# Altium PCB 2015_BeaconEye.PcbDoc (part 2 of 2)
Units mil, origin at the board's own origin, x right, y up, seen from the top; angles counter-clockwise.
Board outline 3070.87 x 2992.13 mil, 4 copper layers (1-TOP, 2-SIGNAL, 3-GND, 4-BOT), stack 68 mil thick; 104 components, 95 nets, 420 pads, 248 vias.
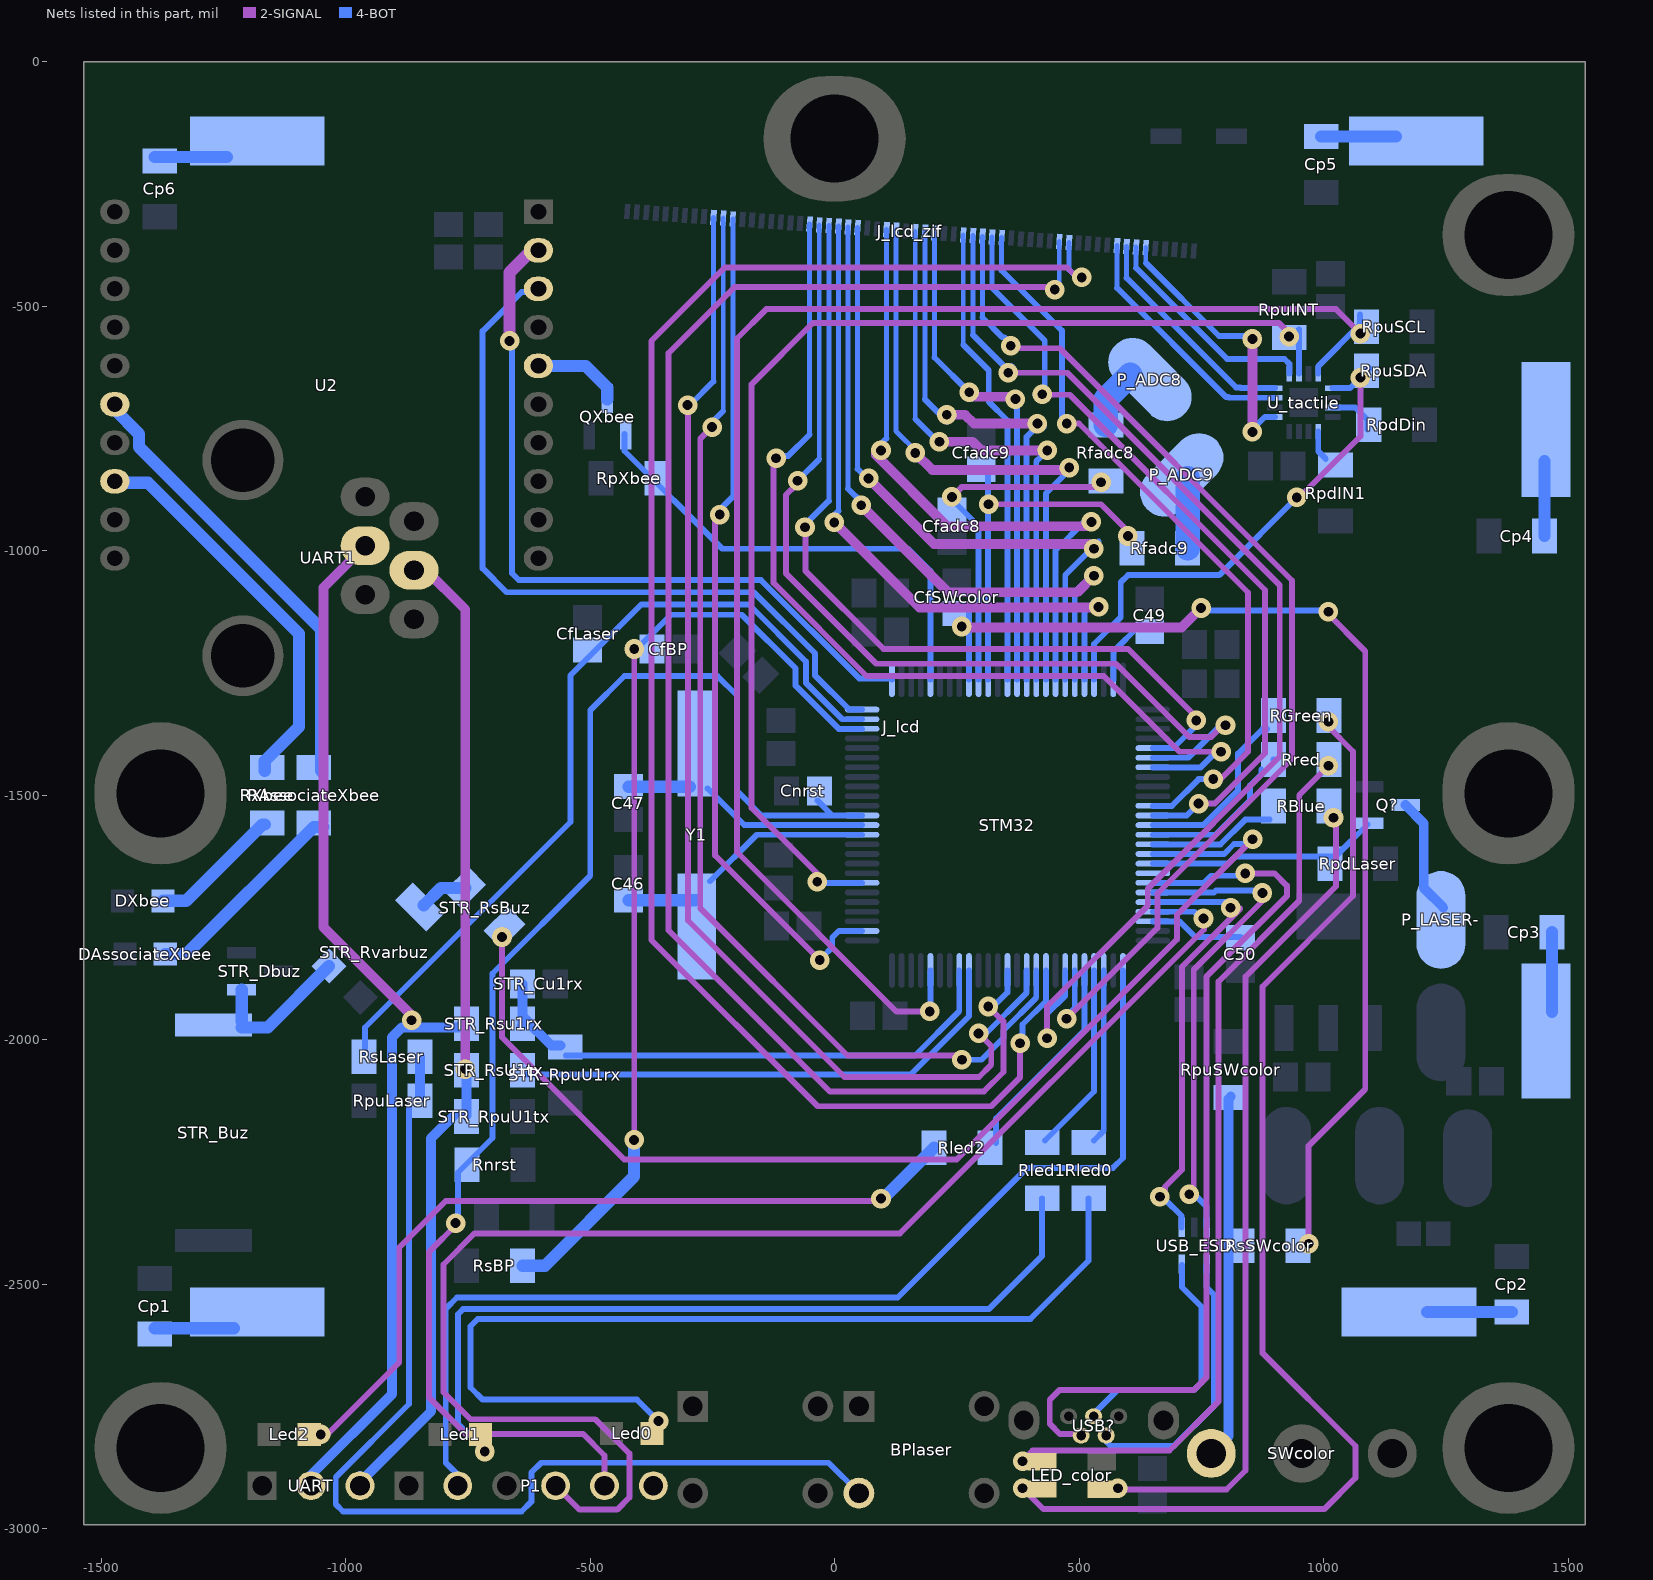
[diagram p4: the nets of this part, all layers, seen from the top]

## Via types
v1: diameter 40, hole 20, 1-TOP to 4-BOT, 248 vias

## Nets (pads, with @x,y where several pads share a name; then routed paths per layer and width w, separated by ;. In a path a pad name is that pad's centre, name@x,y a point inside that pad or via, vN(x,y) a via of type N, cw(c..) or ccw(c..) an arc to the next point about the centre after c; other vN are vias at no path point) (continued)
NetBPlaser_3: BPlaser.3 RpuLaser.1 RsLaser.1 | length 2133.6
  4-BOT w12: RpuLaser.1@-870,-2140 -870,-2745 -1020,-2895 -1020,-2950 -1005,-2965 -640,-2965 -620,-2945 -620,-2885 -600,-2865 -12.17,-2865 BPlaser.3@50,-2927.17
  4-BOT w20: RpuLaser.1@-847.91,-2117.91 RsLaser.1@-847.91,-2035
NetC46_2: C46.2 STM32.12 Y1.2 | length 488.7
  4-BOT w12: Y1.2@-254.57,-1676.06 -159.33,-1580.83 STM32.12@56.34,-1580.83
  4-BOT w25: C46.2@-421.42,-1714.61 Y1.2@-283.11,-1714.61
NetC47_2: C47.2 STM32.13 Y1.1 | length 472.2
  4-BOT w12: Y1.1@-259.57,-1486.06 -184.49,-1561.14 STM32.13@56.34,-1561.14
  4-BOT w25: C47.2@-421.42,-1482.68 Y1.1@-296.18,-1482.68
NetC49_2: C49.2 STM32.49 | length 134.3
  4-BOT w12: STM32.49@570.12,-1263.9 570.12,-1206.57 C49.2@624.57,-1152.13
NetC50_2: C50.2 STM32.73 | length 192.4
  4-BOT w12: STM32.73@650.83,-1757.99 705.43,-1757.99 737.44,-1790 C50.2@830,-1790
NetCp1_2: Cp1.2 J_lcd.1 | length 162.1
  4-BOT w25: Cp1.2@-1390,-2590 J_lcd.1@-1227.91,-2590
NetCp2_2: Cp2.2 J_lcd.2 | length 172.9
  4-BOT w25: J_lcd.2@1212.09,-2557.09 Cp2.2@1385,-2557.09
NetCp3_2: Cp3.2 J_lcd.3 | length 162.9
  4-BOT w25: J_lcd.3@1467.09,-1942.91 Cp3.2@1467.09,-1780
NetCp4_2: Cp4.2 J_lcd.4 | length 152.9
  4-BOT w25: Cp4.2@1452.09,-970 J_lcd.4@1452.09,-817.09
NetCp5_2: Cp5.2 J_lcd.5 | length 152.9
  4-BOT w25: Cp5.2@995,-152.91 J_lcd.5@1147.91,-152.91
NetCp6_2: Cp6.2 J_lcd.6 | length 147.9
  4-BOT w25: Cp6.2@-1390,-195 J_lcd.6@-1242.09,-195
NetDAssociateXbee_1: DAssociateXbee.1 RAssociateXbee.2 | length 431.4
  4-BOT w25: DAssociateXbee.1@-1368.66,-1825 -1325,-1825 -1065,-1565 RAssociateXbee.2@-1045,-1565
NetDXbee_1: DXbee.1 RXbee.2 | length 272.9
  4-BOT w25: DXbee.1@-1373.23,-1716.06 -1326.06,-1716.06 -1170,-1560 RXbee.2@-1165,-1560
NetLed0_1: Led0.1 Rled0.1 | length 1978.5
  4-BOT w12: v1@-365,-2775 -403.94,-2736.06 -719.57,-2736.06 -744.57,-2711.06 -744.57,-2586.06 -729.57,-2571.06 400.43,-2571.06 519.57,-2451.93 Rled0.1@519.57,-2324.21
  other v1: -360,-2780
NetLed1_1: Led1.1 Rled1.1 | length 1663.1
  4-BOT w12: v1@-715,-2840 -770,-2785 -770,-2561.5 -759.57,-2551.06 315.43,-2551.06 424.57,-2441.93 Rled1.1@424.57,-2324.21
  other v1: -715.43,-2842.13
NetLed2_1: Led2.1 Rled2.1 | length 1642.5
  2-SIGNAL w12: v1(-1050.43,-2807.13) v1@-1035.63,-2807.13 ; v1@-1050,-2805 -1035,-2805 -890,-2660 -890,-2425 -795,-2330 v1@91.5,-2330
  4-BOT w25: v1@100,-2330 100,-2324.41 Rled2.1@203.35,-2221.06
  other v1: 95,-2325
NetLED_color_2: LED_color.2 RBlue.2 | length 1683.5
  2-SIGNAL w12: v1(579.57,-2917.13) v1@582.57,-2920.13 ; v1@585,-2920 801.5,-2920 840.43,-2881.06 840.43,-1871.06 1025.43,-1686.06 v1@1025.43,-1550
  other v1: 1020.43,-1546.06
NetLED_color_3: LED_color.3 Rred.2 | length 1842.9
  2-SIGNAL w12: v1@385,-2860 405,-2840 685,-2840 785.43,-2739.57 785.43,-1881.06 950.43,-1716.06 950.43,-1499.57 v1(1010,-1440)
  other v1: 384.57,-2862.13
NetLED_color_4: LED_color.4 RGreen.2 | length 2435.9
  2-SIGNAL w12: v1(384.57,-2917.13) 427.44,-2960 1000,-2960 ; 1001.5,-2960 1065.43,-2896.06 1065.43,-2831.06 875.43,-2641.06 875.43,-1891.06 1060.43,-1706.06 1060.43,-1410.43 v1@1010,-1360
  other v1: 1010,-1350
NetP_ADC8_1: P_ADC8.1 Rfadc8.2 | length 123.6
  4-BOT w50: Rfadc8.2@555,-742.91 555,-690 P_ADC8.1@605,-640
NetP_ADC9_1: P_ADC9.1 Rfadc9.2 | length 142.9
  4-BOT w50: Rfadc9.2@722.09,-995 P_ADC9.1@722.09,-852.09
NetP_LASER-_1: P_LASER-.1 Q?.3 | length 242.1
  4-BOT w20: Q?.3@1167.4,-1520 1205,-1557.6 1205,-1690 P_LASER-.1@1245,-1730
NetQXbee_3: QXbee.3 U2.5 | length 184.1
  4-BOT w25: U2.5@-605.43,-622.09 -508.54,-622.09 -464.57,-666.06 QXbee.3@-464.57,-691.06
NetRAssociateXbee_1: RAssociateXbee.1 U2.15 | length 923.8
  4-BOT w25: U2.15@-1471.57,-700.83 -1471.57,-711.63 -1422.07,-761.13 -1422.07,-787.93 -1050,-1160 RAssociateXbee.1@-1050,-1450
NetRpdDin_2: RpdDin.2 U_tactile.7 | length 101.4
  4-BOT w12: U_tactile.7@1018.62,-706.97 1064.41,-706.97 1089.57,-732.13 RpdDin.2@1089.57,-752.13
NetRpdIN1_2: RpdIN1.2 U_tactile.9 | length 62.4
  4-BOT w12: U_tactile.9@989.09,-756.18 989.09,-796.65 RpdIN1.2@1004.57,-812.13
NetRpuSWcolor_1: RpuSWcolor.1 RsSWcolor.1 SWcolor.NC1 | length 746.6
  4-BOT w20: SWcolor.NC1@770.39,-2846.06 805.43,-2811.02 805.43,-2121.06 RpuSWcolor.1@810.43,-2116.06
NetRXbee_1: RXbee.1 U2.13 | length 801.5
  4-BOT w25: U2.13@-1459.57,-861.06 -1403.94,-861.06 -1095,-1170 -1095,-1360 -1165,-1430 RXbee.1@-1165,-1450
NetSTR_Buz_1: STR_Buz.1 STR_Dbuz.1 STR_Rvarbuz.3 | length 295.8
  4-BOT w25: STR_Buz.1@-1212.4,-1975 -1159.03,-1975 STR_Rvarbuz.3@-1033.57,-1849.54 ; STR_Buz.1@-1212.4,-1962.4 STR_Dbuz.1@-1212.4,-1897.4
NetSTR_RpuU1tx_1: STR_RpuU1tx.1 STR_RsU1tx.1 UART1.3 UART.3 | length 2011.5
  2-SIGNAL w20: UART1.3@-840,-1035 -755,-1120 -755,-1160 v1(-755,-2060)
  4-BOT w20: UART.3@-975,-2910 -825,-2760 -825,-2201.5 STR_RpuU1tx.1@-777.07,-2153.56 ; UART.3@-970.43,-2912.13 UART.3@-970.43,-2892.13 ; STR_RpuU1tx.1@-752.52,-2155.04 STR_RsU1tx.1@-752.52,-2062.13
NetSTR_RsBuz_2: STR_RsBuz.2 STR_Rvarbuz.2 | length 99.3
  4-BOT w25: STR_Rvarbuz.2@-840,-1725 -804.63,-1689.63 STR_RsBuz.2@-755.37,-1689.63
NetSTR_Rsu1rx_2: STR_Rsu1rx.2 UART1.4 UART.2 | length 2229.9
  2-SIGNAL w20: UART1.4@-960,-990 -1045,-1075 -1045,-1770 -865,-1950 v1(-865,-1960)
  4-BOT w20: UART.2@-1070.43,-2912.13 -1070.43,-2890.43 -905,-2725 -905,-1995 -885,-1975 -768.5,-1975 STR_Rsu1rx.2@-754.57,-1961.06
NetUSB?_2: USB?.2 USB_ESD.4 | length 561
  4-BOT w12: USB?.2@549.33,-2815.67 564.72,-2831.06 693.94,-2831.06 775.43,-2749.57 775.43,-2521.06 760.43,-2506.06 USB_ESD.4@760.43,-2461.06
NetUSB?_3: USB?.3 USB_ESD.5 | length 506.5
  4-BOT w12: USB?.3@527.87,-2767.13 578.94,-2716.06 735.43,-2716.06 750.43,-2701.06 750.43,-2546.06 710.43,-2506.06 USB_ESD.5@710.43,-2461.06
PA0_BP: CfBP.2 RsBP.2 STM32.23 | length 1996.8
  2-SIGNAL w12: v1@-409.57,-2205 v1(-409.57,-1201.06)
  4-BOT w12: v1@-409.57,-1206.06 -334.57,-1131.06 -189.57,-1131.06 -79.57,-1241.06 -79.57,-1276.06 8.66,-1364.29 STM32.23@56.34,-1364.29
  4-BOT w25: RsBP.2@-638.35,-2462.13 -592.13,-2462.13 -410,-2280 v1(-410,-2205)
PA1_BP_LASER: CfLaser.2 RsLaser.2 STM32.24 | length 1728.2
  4-BOT w12: RsLaser.2@-960,-2030 -960,-1975 -540,-1555 -540,-1255 -395,-1110 -175,-1110 -58.57,-1226.43 -58.57,-1270.19 15.85,-1344.61 STM32.24@56.34,-1344.61
PA2_XBEE_UTX: STM32.25 U2.3 | length 1545.1
  4-BOT w12: U2.3@-614.57,-471.06 -639.57,-471.06 -719.57,-551.06 -719.57,-1036.06 -670.63,-1085 -165,-1085 -39.57,-1210.43 -39.57,-1255.43 29.92,-1324.92 STM32.25@56.34,-1324.92
PA3_XBEE_URX: STM32.26 U2.2 | length 1561.1
  2-SIGNAL w25: v1(-664.57,-571.06) -664.57,-431.06 U2.2@-614.57,-381.06
  4-BOT w12: v1@-654.57,-566.06 -659.57,-571.06 -659.57,-1046.06 -645.63,-1060 -150.63,-1060 50.43,-1261.06 115.85,-1261.06 117.6,-1262.81 117.6,-1263.9 STM32.26@117.36,-1263.9
PA5_XBEE_RESET: QXbee.1 RpXbee.1 STM32.30 | length 984.6
  4-BOT w12: QXbee.1@-429.57,-761.06 -429.57,-796.06 -229.57,-996.06 150.43,-996.06 196.1,-1041.73 STM32.30@196.1,-1263.9
PA8_MOSFET_LASER: Q?.1 RpdLaser.2 STM32.67 | length 472.3
  4-BOT w12: STM32.67@650.83,-1639.88 805.12,-1639.88 820,-1625 1025,-1625 Q?.1@1090,-1560
PA9_USB_VBUS: STM32.68
PA10_USB_ID: STM32.69 USB?.4 | length 1810.4
  2-SIGNAL w12: USB?.4@488.98,-2806.5 460.87,-2806.5 440,-2785.63 440,-2736.5 460.43,-2716.06 735.43,-2716.06 760.43,-2691.06 760.43,-1871.06 925,-1706.5 925,-1685 900,-1660 v1(840,-1660)
  4-BOT w12: STM32.69@650.83,-1679.25 755.75,-1679.25 770.37,-1664.63 v1@839.63,-1664.63
PA11_USB_DM: STM32.70 USB_ESD.3 | length 969.5
  2-SIGNAL w12: v1@734.57,-2312.13 734.57,-1856.93 v1@883.25,-1708.25
  4-BOT w12: STM32.70@650.83,-1698.94 776.06,-1698.94 780,-1695 821.67,-1695 v1@875,-1695 ; v1@735.43,-2316.06 761.02,-2341.65 USB_ESD.3@761.02,-2383.66
  other v1: 725.43,-2316.06 875,-1700
PA12_USB_DP: STM32.71 USB_ESD.1 | length 872.1
  2-SIGNAL w12: v1@675.43,-2316.06 675.43,-2301.06 710.43,-2266.06 710.43,-1851.06 v1@829.57,-1731.93
  4-BOT w12: STM32.71@650.83,-1718.62 v1@803.07,-1718.62 ; v1@675.43,-2326.06 709.84,-2360.47 USB_ESD.1@709.84,-2383.66
  other v1: 665.43,-2321.06 810,-1730
PB0_ADC8: Cfadc8.2 Rfadc8.1 STM32.35 | length 706.8
  2-SIGNAL w12: v1(240,-890) 260,-870 v1@540,-870
  4-BOT w12: v1@235,-890 294.53,-949.53 STM32.35@294.53,-1263.9
  other v1: 545,-860
PB1_ADC9: Cfadc9.2 Rfadc9.1 STM32.36 | length 738.4
  2-SIGNAL w12: v1(315,-905) 545,-905 v1@600,-960
  4-BOT w12: Cfadc9.2@310,-835 314.21,-839.21 STM32.36@314.21,-1263.9
  other v1: 600,-970
PB6_U1TX: STM32.92 STR_RsU1tx.2 | length 1048.1
  4-BOT w12: STR_RsU1tx.2@-630.43,-2071.06 155.63,-2071.06 274.84,-1951.85 STM32.92@274.84,-1858.39
PB7_U1RX: STM32.93 STR_Cu1rx.2 STR_RpuU1rx.1 STR_Rsu1rx.1 | length 1110.7
  4-BOT w12: STR_Rsu1rx.1@-635.43,-1957.13 STR_Rsu1rx.1@-634.47,-1956.16 ; STR_RpuU1rx.1@-549.57,-2032.13 164.57,-2032.13 255.16,-1941.54 STM32.93@255.16,-1858.39
  4-BOT w20: STR_Rsu1rx.1@-640.43,-1972.13 STR_Rsu1rx.1@-634.57,-1966.26 ; STR_Rsu1rx.1@-638.03,-1964.53 STR_Cu1rx.2@-638.03,-1886.06 ; STR_Rsu1rx.1@-634.47,-1956.16 -578.5,-2012.13 STR_RpuU1rx.1@-560.43,-2012.13
PB9_LCD_I2C_SCK: RpuSCL.1 STM32.96 U_tactile.4 | length 3133.1
  2-SIGNAL w12: v1(194.57,-1942.13) 126.5,-1942.13 -199.57,-1616.06 -199.57,-566.06 -139.57,-506.06 1025.43,-506.06 v1(1075.43,-556.06)
  4-BOT w12: v1@196.1,-1935.39 STM32.96@196.1,-1858.39 ; U_tactile.4@989.09,-638.07 989.09,-622.6 1074.57,-537.13 RpuSCL.1@1074.57,-517.13
PB10_LCD_I2C_SDA: RpuSDA.1 STM32.47 U_tactile.5 | length 1053.3
  2-SIGNAL w12: v1@945.43,-881.06 960.43,-881.06 1075.43,-766.06 v1@1075.43,-651.06
  4-BOT w12: STM32.47@530.75,-1263.9 530.75,-1190.75 585.43,-1136.06 585.43,-1064.57 600,-1050 786.5,-1050 v1@955.43,-881.06 ; U_tactile.5@1018.62,-667.6 1054.09,-667.6 RpuSDA.1@1094.57,-627.13
  other v1: 945.43,-891.06 1075.43,-646.06
PC5_SW_COLOR: CfSWcolor.2 RsSWcolor.2 STM32.34 | length 2259.5
  2-SIGNAL w12: v1(969.57,-2417.13) 969.57,-2216.93 1085.43,-2101.06 1085.43,-1205.43 v1@1005,-1125
  2-SIGNAL w20: v1@274.57,-1157.13 709.37,-1157.13 v1@745.43,-1121.06
  4-BOT w12: STM32.34@274.84,-1263.9 CfSWcolor.2@274.84,-1121.06 ; v1@757.13,-1122.13 v1@1014.57,-1122.13
  other v1: 260,-1155 1010,-1125 749.57,-1117.13
PC6_LED_GREEN: RGreen.1 STM32.63 | length 359.4
  4-BOT w12: STM32.63@650.83,-1561.14 753.86,-1561.14 825,-1490 825,-1415 875,-1365 RGreen.1@885,-1365
PC7_LED_RED: Rred.1 STM32.64 | length 300.7
  4-BOT w12: STM32.64@650.83,-1580.83 779.17,-1580.83 850,-1510 850,-1480 872.5,-1457.5 Rred.1@872.5,-1447.5 ; Rred.1@897.48,-1427.52 Rred.1@897.48,-1427.13
PC8_LED_BLUE: RBlue.1 STM32.65 | length 260.1
  4-BOT w12: STM32.65@650.83,-1600.51 789.49,-1600.51 840,-1550 RBlue.1@890,-1550
PC9_BUZZER: STM32.66 STR_RsBuz.1 | length 2346.7
  2-SIGNAL w12: v1(-680,-1790) -680,-1995 -430,-2245 250,-2245 700,-1795 700,-1745 v1(855,-1590)
  4-BOT w12: STM32.66@650.83,-1620.2 796.67,-1620.2 816.87,-1600 v1@845,-1600
PC10_LED0: Rled0.2 STM32.78 | length 356
  4-BOT w12: Rled0.2@530.43,-2206.06 550.43,-2186.06 STM32.78@550.43,-1858.39
PC11_LED1: Rled1.2 STM32.79 | length 389.2
  4-BOT w12: Rled1.2@430.43,-2206.06 530.75,-2105.75 STM32.79@530.75,-1858.39
PC12_LED2: Rled2.2 STM32.80 | length 427.5
  4-BOT w12: Rled2.2@330.43,-2211.06 330.43,-2161.26 511.06,-1980.63 STM32.80@511.06,-1858.39
PC13_LCD_INT: RpuINT.1 STM32.7 U_tactile.2 | length 2429.7
  2-SIGNAL w12: v1(-35.43,-1677.13) -35.43,-1660.2 -169.57,-1526.06 -169.57,-659.57 -44.13,-534.13 908.5,-534.13 v1@935.43,-561.06
  4-BOT w12: v1@-41.38,-1679.25 STM32.7@56.34,-1679.25 ; U_tactile.2@949.72,-638.07 RpuINT.1@949.72,-547.28
  other v1: 929.57,-562.13
PD0_LCD_D2: J_lcd_zif.23 STM32.81 | length 2172.8
  2-SIGNAL w12: v1@375.43,-586.06 460.43,-586.06 935.43,-1061.06 935.43,-1426.06 660.43,-1701.06 660.43,-1771.26 v1(474.57,-1957.13)
  4-BOT w10: 302.55,-523.18 J_lcd_zif.23@302.55,-356.92
  4-BOT w12: 302.55,-523.18 342.93,-563.56 347.93,-563.56 ; v1@474.57,-1952.13 491.38,-1935.31 STM32.81@491.38,-1858.39
  other v1: 360.43,-581.06
PD1_LCD_D3: J_lcd_zif.24 STM32.82 | length 2332.8
  2-SIGNAL w12: v1@350.43,-636.06 476.06,-636.06 910.43,-1070.43 910.43,-1421.06 640.43,-1691.06 640.43,-1726.06 434.57,-1931.93 v1(434.57,-1997.13)
  4-BOT w10: 282.91,-558.54 J_lcd_zif.24@282.91,-355.54
  4-BOT w12: 282.91,-558.54 347.93,-623.56 v1@362.93,-623.56 ; v1@434.57,-2002.13 v1(434.57,-1997.13) 434.57,-1947.13 471.69,-1910 STM32.82@471.69,-1858.39
  other v1: 355.43,-636.06
PD3_LCD_RESET: J_lcd_zif.14 STM32.84 | length 3420
  2-SIGNAL w12: v1(379.57,-2007.13) 379.57,-2076.93 320.43,-2136.06 -34.57,-2136.06 -374.57,-1796.06 -374.57,-571.06 -224.57,-421.06 475.43,-421.06 v1@505.43,-451.06
  4-BOT w10: 479.28,-424.91 J_lcd_zif.14@479.28,-369.27
  4-BOT w12: v1@384.57,-1997.13 384.57,-1969 432.32,-1921.24 STM32.84@432.32,-1858.39 ; 479.28,-424.91 v1@505.43,-451.06
  other v1: 505.43,-441.06
PD4_LCD_RD: J_lcd_zif.50 STM32.85 | length 2349.5
  2-SIGNAL w12: v1@-254.57,-751.06 -274.57,-771.06 -274.57,-1731.06 26.5,-2032.13 v1@260.43,-2032.13
  4-BOT w10: -227.65,-714.15 J_lcd_zif.50@-227.65,-319.84
  4-BOT w12: v1@-254.57,-741.06 -227.65,-714.15 ; v1(260.43,-2041.06) 300.43,-2041.06 345.43,-1996.06 345.43,-1981.26 412.64,-1914.06 STM32.85@412.64,-1858.39
  other v1: -250.43,-747.13
PD5_LCD_WR: J_lcd_zif.51 STM32.86 | length 2458
  2-SIGNAL w12: v1@-299.57,-701.06 -299.57,-1756.06 20.43,-2076.06 295.43,-2076.06 320.43,-2051.06 320.43,-2012.99 v1(294.57,-1987.13)
  4-BOT w10: -247.29,-653.78 J_lcd_zif.51@-247.29,-318.47
  4-BOT w12: v1@-294.57,-701.06 -247.29,-653.78 ; v1@309.57,-1987.13 392.95,-1903.74 STM32.86@392.95,-1858.39
  other v1: -300.43,-702.13
PD7_LCD_CS: J_lcd_zif.15 STM32.88 | length 3179.8
  2-SIGNAL w12: v1(314.57,-1932.13) 345.43,-1962.99 345.43,-2066.06 305.43,-2106.06 -9.57,-2106.06 -339.57,-1776.06 -339.57,-596.06 -204.57,-461.06 v1@440.43,-461.06
  4-BOT w10: v1@459.65,-461.06 J_lcd_zif.15@459.65,-367.9
  4-BOT w12: v1@324.57,-1932.13 353.58,-1903.11 STM32.88@353.58,-1858.39
  other v1: 450.43,-466.06
PD8_LCD_D13: J_lcd_zif.39 STM32.55 | length 1749
  2-SIGNAL w12: v1@-59.57,-961.06 -59.57,-1041.06 100.43,-1201.06 600.43,-1201.06 739.57,-1340.2 v1(739.57,-1347.13)
  4-BOT w10: -11.64,-898.14 J_lcd_zif.39@-11.64,-334.95
  4-BOT w12: v1@-59.57,-946.06 -11.64,-898.14 ; STM32.55@650.83,-1403.66 693.03,-1403.66 v1@739.57,-1357.13
  other v1: -60.43,-952.13
PD9_LCD_D14: J_lcd_zif.40 STM32.56 | length 1935.6
  2-SIGNAL w12: v1@-79.57,-866.06 -99.57,-886.06 -99.57,-1046.06 85.43,-1231.06 575.43,-1231.06 725.43,-1381.06 770.43,-1381.06 794.37,-1357.13 v1(799.57,-1357.13)
  4-BOT w10: -31.28,-812.78 J_lcd_zif.40@-31.28,-333.57
  4-BOT w12: v1@-69.57,-851.06 -31.28,-812.78 ; STM32.56@650.83,-1423.35 723.35,-1423.35 v1@789.57,-1357.13
  other v1: -75.43,-857.13
PD10_LCD_D15: J_lcd_zif.41 STM32.57 | length 1984.3
  2-SIGNAL w12: v1@-124.57,-806.06 -124.57,-1066.06 65.43,-1256.06 550.43,-1256.06 705.43,-1411.06 v1(790.43,-1411.06)
  4-BOT w10: -50.92,-762.41 J_lcd_zif.41@-50.92,-332.2
  4-BOT w12: v1@-109.57,-806.06 -94.57,-806.06 -50.92,-762.41 ; STM32.57@650.83,-1443.03 748.66,-1443.03 774.57,-1417.13 v1@799.57,-1417.13
  other v1: -119.57,-811.06
PD14_LCD_D0: J_lcd_zif.21 STM32.61 | length 1491
  2-SIGNAL w12: v1@490,-740 500,-740 845.43,-1085.43 845.43,-1411.06 789.37,-1467.13 v1(774.57,-1467.13)
  4-BOT w10: 341.83,-426.83 J_lcd_zif.21@341.83,-359.66
  4-BOT w12: 341.83,-426.83 465,-550 v1@465,-740 ; STM32.61@650.83,-1521.77 689.92,-1521.77 744.57,-1467.13 v1@769.57,-1467.13
  other v1: 475,-740
PD15_LCD_D1: J_lcd_zif.22 STM32.62 | length 1605.8
  2-SIGNAL w12: v1@410.43,-681.06 481.06,-681.06 880.43,-1080.43 880.43,-1414.19 777.5,-1517.13 v1(744.57,-1517.13)
  4-BOT w10: 322.19,-462.19 J_lcd_zif.22@322.19,-358.29
  4-BOT w12: 322.19,-462.19 430,-570 v1@430,-675 ; STM32.62@650.83,-1541.46 720.24,-1541.46 v1@739.57,-1522.13
  other v1: 425,-680
PE3_LCD_DC: J_lcd_zif.49 STM32.2 | length 1720.3
  2-SIGNAL w12: v1@-244.57,-926.06 -244.57,-1622.99 v1(-30.43,-1837.13)
  4-BOT w10: -208.01,-889.51 J_lcd_zif.49@-208.01,-321.21
  4-BOT w12: v1@-234.57,-916.06 -208.01,-889.51 ; v1@-24.57,-1831.06 -4.57,-1811.06 -4.57,-1791.06 8.82,-1777.68 STM32.2@56.34,-1777.68
  other v1: -234.57,-926.06
PE7_LCD_D4: J_lcd_zif.25 STM32.38 | length 947.1
  4-BOT w10: 263.28,-578.91 J_lcd_zif.25@263.28,-354.17
  4-BOT w12: 263.28,-578.91 315.43,-631.06 315.43,-695.43 353.58,-733.58 STM32.38@353.58,-1263.9
PE8_LCD_D5: J_lcd_zif.28 STM32.39 | length 1030.4
  2-SIGNAL w20: v1(275.43,-676.06) 284.37,-685 v1@365.43,-685
  4-BOT w10: 204.37,-605 J_lcd_zif.28@204.37,-350.05
  4-BOT w12: 204.37,-605 v1(275.43,-676.06) v1@282.93,-683.56 ; STM32.39@373.27,-1263.9 v1@373.27,-693.27
  other v1: 370,-690
PE9_LCD_D6: J_lcd_zif.29 STM32.40 | length 1144.1
  2-SIGNAL w20: v1(229.57,-722.13) 267.13,-722.13 285,-740 v1@420.43,-740
  4-BOT w10: 184.73,-690.36 J_lcd_zif.29@184.73,-348.68
  4-BOT w12: 184.73,-690.36 v1@230.43,-736.06 ; STM32.40@392.95,-1263.9 392.95,-767.05 412.5,-747.5 v1@427.5,-747.5
  other v1: 415,-740
PE10_LCD_D7: J_lcd_zif.30 STM32.41 | length 1128.3
  2-SIGNAL w20: v1(214.57,-777.13) 282.13,-777.13 300,-795 v1(435,-795)
  4-BOT w10: 165.09,-730.72 J_lcd_zif.30@165.09,-347.3
  4-BOT w12: 165.09,-730.72 v1@205.43,-771.06 ; STM32.41@412.64,-1263.9 412.64,-817.36 v1@422.18,-807.81
PE11_LCD_D8: J_lcd_zif.32 STM32.42 | length 1251.9
  2-SIGNAL w20: v1(165,-800) 200,-835 v1@480,-835
  4-BOT w10: J_lcd_zif.32@125.82,-344.56 125.82,-755.82 v1@170,-800
  4-BOT w12: STM32.42@432.32,-1263.9 432.32,-882.68 v1@480,-835
  other v1: 480,-830
PE12_LCD_D9: J_lcd_zif.33 STM32.43 | length 1322.8
  2-SIGNAL w20: v1@84.57,-797.13 84.57,-804.57 230,-950 516.5,-950 v1(525.43,-941.06)
  4-BOT w10: 106.18,-770.32 J_lcd_zif.33@106.18,-343.19
  4-BOT w12: v1@80.43,-796.06 106.18,-770.32 ; STM32.43@452.01,-1263.9 452.01,-999.49 v1@510.43,-941.06
  other v1: 95,-795
PE13_LCD_D10: J_lcd_zif.36 STM32.44 | length 1351.3
  2-SIGNAL w20: v1(69.57,-852.13) 203.5,-986.06 520.43,-986.06 v1(530.43,-996.06)
  4-BOT w10: 47.27,-832.9 J_lcd_zif.36@47.27,-339.07
  4-BOT w12: 47.27,-832.9 v1@65.43,-851.06 ; STM32.44@471.69,-1263.9 471.69,-1049.8 v1@540.43,-981.06
PE14_LCD_D11: J_lcd_zif.37 STM32.45 | length 1370.4
  2-SIGNAL w20: v1(54.57,-907.13) 232.44,-1085 496.5,-1085 v1(530.43,-1051.06) v1@535.43,-1051.06
  4-BOT w10: 27.63,-873.26 J_lcd_zif.37@27.63,-337.69
  4-BOT w12: 27.63,-873.26 v1@55.43,-901.06 ; STM32.45@491.38,-1263.9 491.38,-1085.12 v1@525.43,-1051.06
PE15_LCD_D12: J_lcd_zif.38 STM32.46 | length 1379.3
  2-SIGNAL w20: v1(-0.43,-942.13) 173.5,-1116.06 v1@530.43,-1116.06
  4-BOT w10: 7.99,-918.5 J_lcd_zif.38@7.99,-336.32
  4-BOT w12: v1@-9.57,-936.06 7.99,-918.5 ; STM32.46@511.06,-1263.9 511.06,-1125.43 v1@532.93,-1103.56
  other v1: 540,-1115
PROG_NRST: Cnrst.2 P1.5 Rnrst.1 STM32.14 | length 2877.7
  2-SIGNAL w12: v1@-770,-2375 -829.57,-2434.57 -829.57,-2731.06 -754.57,-2806.06 ; -753.94,-2806.06 -514.57,-2806.06 -470.43,-2850.2 P1.5@-470.43,-2912.13
  4-BOT w12: v1@-770,-2381.06 -770,-2271.5 -699.57,-2201.06 -699.57,-1864.57 -499.57,-1664.57 -499.57,-1326.06 -429.57,-1256.06 -239.57,-1256.06 -199.57,-1296.06 -199.57,-1491.06 -149.17,-1541.46 -4.57,-1541.46 ; Cnrst.2@-34.57,-1511.06 -34.57,-1511.46 -4.57,-1541.46 ; STM32.14@56.34,-1541.46 -4.57,-1541.46
  other v1: -775,-2375
PROG_SWCLK: P1.2 STM32.76 | length 2253.4
  4-BOT w12: P1.2@-765,-2895 -795,-2865 -795,-2550 -772.13,-2527.13 129.37,-2527.13 394.37,-2262.13 569.57,-2262.13 589.8,-2241.89 STM32.76@589.8,-1858.39
PROG_SWDIO: P1.4 STM32.72 | length 2930
  2-SIGNAL w12: P1.4@-570.43,-2912.13 -521.5,-2961.06 -444.57,-2961.06 -419.57,-2936.06 -419.57,-2846.06 -489.57,-2776.06 ; -491.06,-2776.06 -744.57,-2776.06 -799.57,-2721.06 -799.57,-2459.57 -736.06,-2396.06 133.94,-2396.06 755.43,-1774.57 v1@755.43,-1751.06
  4-BOT w12: STM32.72@650.83,-1738.31 735.75,-1738.31 v1@749.57,-1752.13
  other v1: 754.57,-1752.13
PROG_SWO: P1.6
X+: J_lcd_zif.6 U_tactile.13 | length 550.7
  2-SIGNAL w20: v1(854.57,-757.13) v1@854.57,-577.13
  4-BOT w10: 636.38,-411.38 J_lcd_zif.6@636.38,-380.26
  4-BOT w12: 636.38,-411.38 786.06,-561.06 v1@850.43,-561.06 ; v1@849.57,-757.13 880.04,-726.65 U_tactile.13@900.51,-726.65
  other v1: 854.57,-567.13
X-: J_lcd_zif.8 U_tactile.16 | length 460.8
  4-BOT w10: 597.11,-442.11 J_lcd_zif.8@597.11,-377.51
  4-BOT w12: 597.11,-442.11 821.06,-666.06 830.43,-666.06 ; 830.43,-667.6 U_tactile.16@900.51,-667.6
Y+: J_lcd_zif.9 U_tactile.15 | length 502
  4-BOT w10: 577.47,-462.47 J_lcd_zif.9@577.47,-376.14
  4-BOT w12: 577.47,-462.47 801.06,-686.06 805.43,-686.06 ; 805.43,-687.28 U_tactile.15@900.51,-687.28
Y-: J_lcd_zif.7 U_tactile.1 | length 457.8
  4-BOT w10: 616.74,-421.74 J_lcd_zif.7@616.74,-378.89
  4-BOT w12: 616.74,-421.74 802.8,-607.8 920.24,-607.8 930.04,-617.6 U_tactile.1@930.04,-638.07
pads on no net: BP_rfu.2 BP_rfu.4 BPlaser.2 BPlaser.4 J_lcd_zif.11 J_lcd_zif.12 J_lcd_zif.13 J_lcd_zif.18 J_lcd_zif.19 J_lcd_zif.26 J_lcd_zif.27 J_lcd_zif.34 J_lcd_zif.35 J_lcd_zif.56 J_lcd_zif.57 STM32.1 STM32.3 STM32.4 STM32.5 STM32.8 STM32.9 STM32.15 STM32.16 STM32.17 STM32.18 STM32.29 STM32.31 STM32.32 STM32.33 STM32.37 STM32.48 STM32.51 STM32.52 STM32.53 STM32.54 STM32.58 STM32.59 STM32.60 STM32.77 STM32.83 STM32.87 STM32.89 STM32.90 STM32.91 STM32.95 STM32.97 STM32.98 STR_Dbuz.2 STR_Rvarbuz.1 SWcolor.NO1 U2.4 U2.6 U2.7 U2.8 U2.9 U2.11 U2.12 U2.14 U2.16 U2.17 U2.18 U2.19 U2.20 U_tactile.8 U_tactile.11 U_tactile.12 UART1.FIX1 UART1.FIX2

## Polygon pours and split planes (outlines as drawn)
GND on 1-TOP "GND_TOP" (solid, pour order 14): -1519.57,-16.06 1520.43,-16.06 1520.43,-2976.06 -1519.57,-2976.06
GND on 2-SIGNAL "2-GND" (solid, pour order 13): -1519.57,-16.06 1520.43,-16.06 1520.43,-2976.06 -1519.57,-2976.06
GND on 3-GND "3-GND" (solid, pour order 12): -1519.57,-16.06 1520.43,-16.06 1520.43,-2976.06 -1519.57,-2976.06
GND on 4-BOT "4-GND" (solid, pour order 11): -1519.57,-16.06 1520.43,-16.06 1520.43,-2976.06 -1519.57,-2976.06

## Keep-outs
Keep-Out Layer:
  the board outline again, w25

## Other copper
1-TOP:
  pour cut-out: -550,-280 -1545,-280 -1545,10 -550,10
2-SIGNAL:
  pour cut-out: -550,-280 -1545,-280 -1545,10 -550,10
3-GND:
  pour cut-out: -550,-280 -1545,-280 -1545,10 -550,10
4-BOT:
  pour cut-out: -550,-280 -1545,-280 -1545,10 -550,10

## Silkscreen, mask and mechanical layers (free items; w line width, h text height)
Top Overlay:
  text "Made in Angers" at -1100,-1475 h400
  text "By ELCO-PCB" at -1190,-1790 h400
  text "led2" at -1180,-2755 h40
  text "led1" at -840,-2755 h40
  text "led0" at -485,-2755 h40
  text "las" at 305,-2790 h40 r270
  text "BP" at -25,-2810 h40 r270
  text "Color" at 645,-2970 h40 r90
Bottom Overlay:
  lines w12: 821.67,-1695 850,-1723.33 850,-1750 ; 1392.5,-2117.5 1445,-2170
  text "1n 2kV" at -1445,-45 h40 r90
  text "Robot ESEO 2015" at -165,-90 h100
  text "NSI45020A" at 875,-100 h40
  text "1n 2kV" at 930,-105 h40 r90
  text "BeaconEye" at -215,-210 h100
  text "--Legende--" at -1385,-260 h40 r90
  text "10p" at -640,-270 h40
  text "1u" at -785,-280 h40
  text "°" at 1100,-405 h30 r90
  text "1M   #" at -1315,-409 h40 r90
  text "100k *" at -1249,-409 h40 r90
  text "100n" at -915,-410 h40 r90
  text "1n" at -855,-410 h40 r90
  text "10k  +" at -1191,-411 h40 r90
  text "1k   -" at -1131,-411 h40 r90
  text "LED  v" at -1067,-411 h40 r90
  text "100  ." at -1003,-411 h40 r90
  text "+" at 915,-490 h40 r180
  text "-" at 1125,-555 h40 r270
  text "°" at -925,-600 h30 r90
  text "'" at -840,-605 h40 r90
  text "XBEE : warning CMS" at -670,-615 h40 r90
  text "MOSN" at -370,-640 h40
  text "-" at 1125,-645 h40 r270
  text "ADC8" at 800,-695 h40 r315
  text "+" at 1135,-720 h40 r180
  text "°" at 380,-750 h30 r90
  text "+" at 540,-780 h40 r180
  text "+" at -435,-830 h40 r180
  text "*" at 1010,-865 h40 r180
  text "°" at 880,-880 h30 r90
  text "STMPE811QTR" at 1255,-920 h40 r270
  text "°" at 335,-965 h30 r90
  text "+" at 650,-975 h40 r180
  text "RJ12" at -1155,-1000 h40
  text "ADC9" at 850,-1025 h40 r315
  text "1n 2kV" at 1275,-1025 h40 r180
  text "°" at 335,-1035 h30 r90
  text "Not mounted" at -1015,-1055 h40
  text "2.2u" at 595,-1065 h40 r90
  text "'" at 40,-1085 h40 r90
  text "°" at -295,-1105 h30 r90
  text "on beacon" at -1075,-1110 h40
  text "°" at -5,-1145 h30 r90
  text "'" at -200,-1160 h40 r90
  text "°" at 890,-1160 h30 r90
  text "°" at 890,-1230 h30 r90
  text "°" at -490,-1255 h30 r90
  text "Qz8M" at -395,-1275 h40 r90
  text "'" at -60,-1315 h40 r180
  text "470" at 1170,-1335 h40
  text "220" at 860,-1375 h40 r90
  text "MOSN" at 1215,-1435 h40
  text "17p" at -480,-1465 h40 r90
  text "-" at -1175,-1480 h40 r180
  text "-" at -1080,-1480 h40 r180
  text "100" at 865,-1535 h40
  text "°" at -15,-1540 h30 r90
  text "Trimmer" at -710,-1555 h40
  text "'" at -80,-1570 h40 r90
  text "10k" at -795,-1615 h40
  text "*" at 1055,-1620 h40 r180
  text "17p" at -480,-1640 h40 r90
  text "2.2u" at 770,-1695 h40 r270
  text "Xbee" at -1180,-1710 h40
  text "-" at 1305,-1710 h40 r270
  text "1n" at 1485,-1720 h40
  text "-" at -690,-1735 h40 r45
  text "BAT54A" at -1075,-1775 h40
  text "'" at -85,-1815 h40 r90
  text "100p" at -480,-1830 h40
  text "°" at 665,-1885 h30 r90
  text "Ass" at -1310,-1915 h40
  text "°" at 0,-1930 h30 r90
  text "-" at -715,-1980 h40 r270
  text "las+" at 1315,-2035 h40 r270
  text "*" at 795,-2045 h40 r180
  text "-" at -925,-2050 h40 r270
  text "+" at -565,-2050 h40 r180
  text "." at -700,-2065 h40 r270
  text "*" at -920,-2105 h40 r180
  text "4.7u" at 1180,-2110 h40
  text "330" at 480,-2165 h40
  text "#" at -715,-2170 h40 r270
  text "150" at 625,-2170 h40
  text "GND" at 845,-2200 h40 r90
  text "." at 255,-2225 h40 r270
  text "*" at -710,-2240 h40 r180
  text "4.7u" at 1460,-2290 h40 r270
  text "24V" at 1370,-2340 h40 r270
  text "*" at -670,-2345 h40 r180
  text "5V" at 1050,-2360 h40 r180
  text "Buzzer" at -1015,-2420 h40 r270
  text "-" at 870,-2435 h40 r270
  text "1n 2kV" at -1455,-2450 h40 r90
  text "-" at -715,-2480 h40 r270
  text "USBDF01W5" at 545,-2525 h40 r180
  text "1n 2kV" at 1445,-2580 h40 r270
  text "SWcolor" at 1195,-2770 h40
  text "uart" at -1075,-2845 h40
  text "prog" at -440,-2845 h40
  text "USB" at 450,-2855 h40 r180
  text "BP" at -150,-2890 h40
  text "BPLaser" at 290,-2890 h40
  text "2.2u" at 840,-2970 h40
Mechanical 15:
  lines w19.68: -590.55,-1931.65 -590.55,-238.74 ; 590.55,-1931.65 590.55,-238.74 ; 669.29,-2679.69 669.29,-1931.65

## Text inside footprints (layer, text, board x,y; h text height)
J_lcd: Top Overlay "FS-K350QVG-V2-F-01" at -515.43,-2542.13 h60
STR_Rvarbuz: Bottom Overlay "+" at -958.96,-1698.1 h60 r315